# Altium PCB RTM_4SFP_3QSFP.PcbDoc (part 1 of 4) (continued)
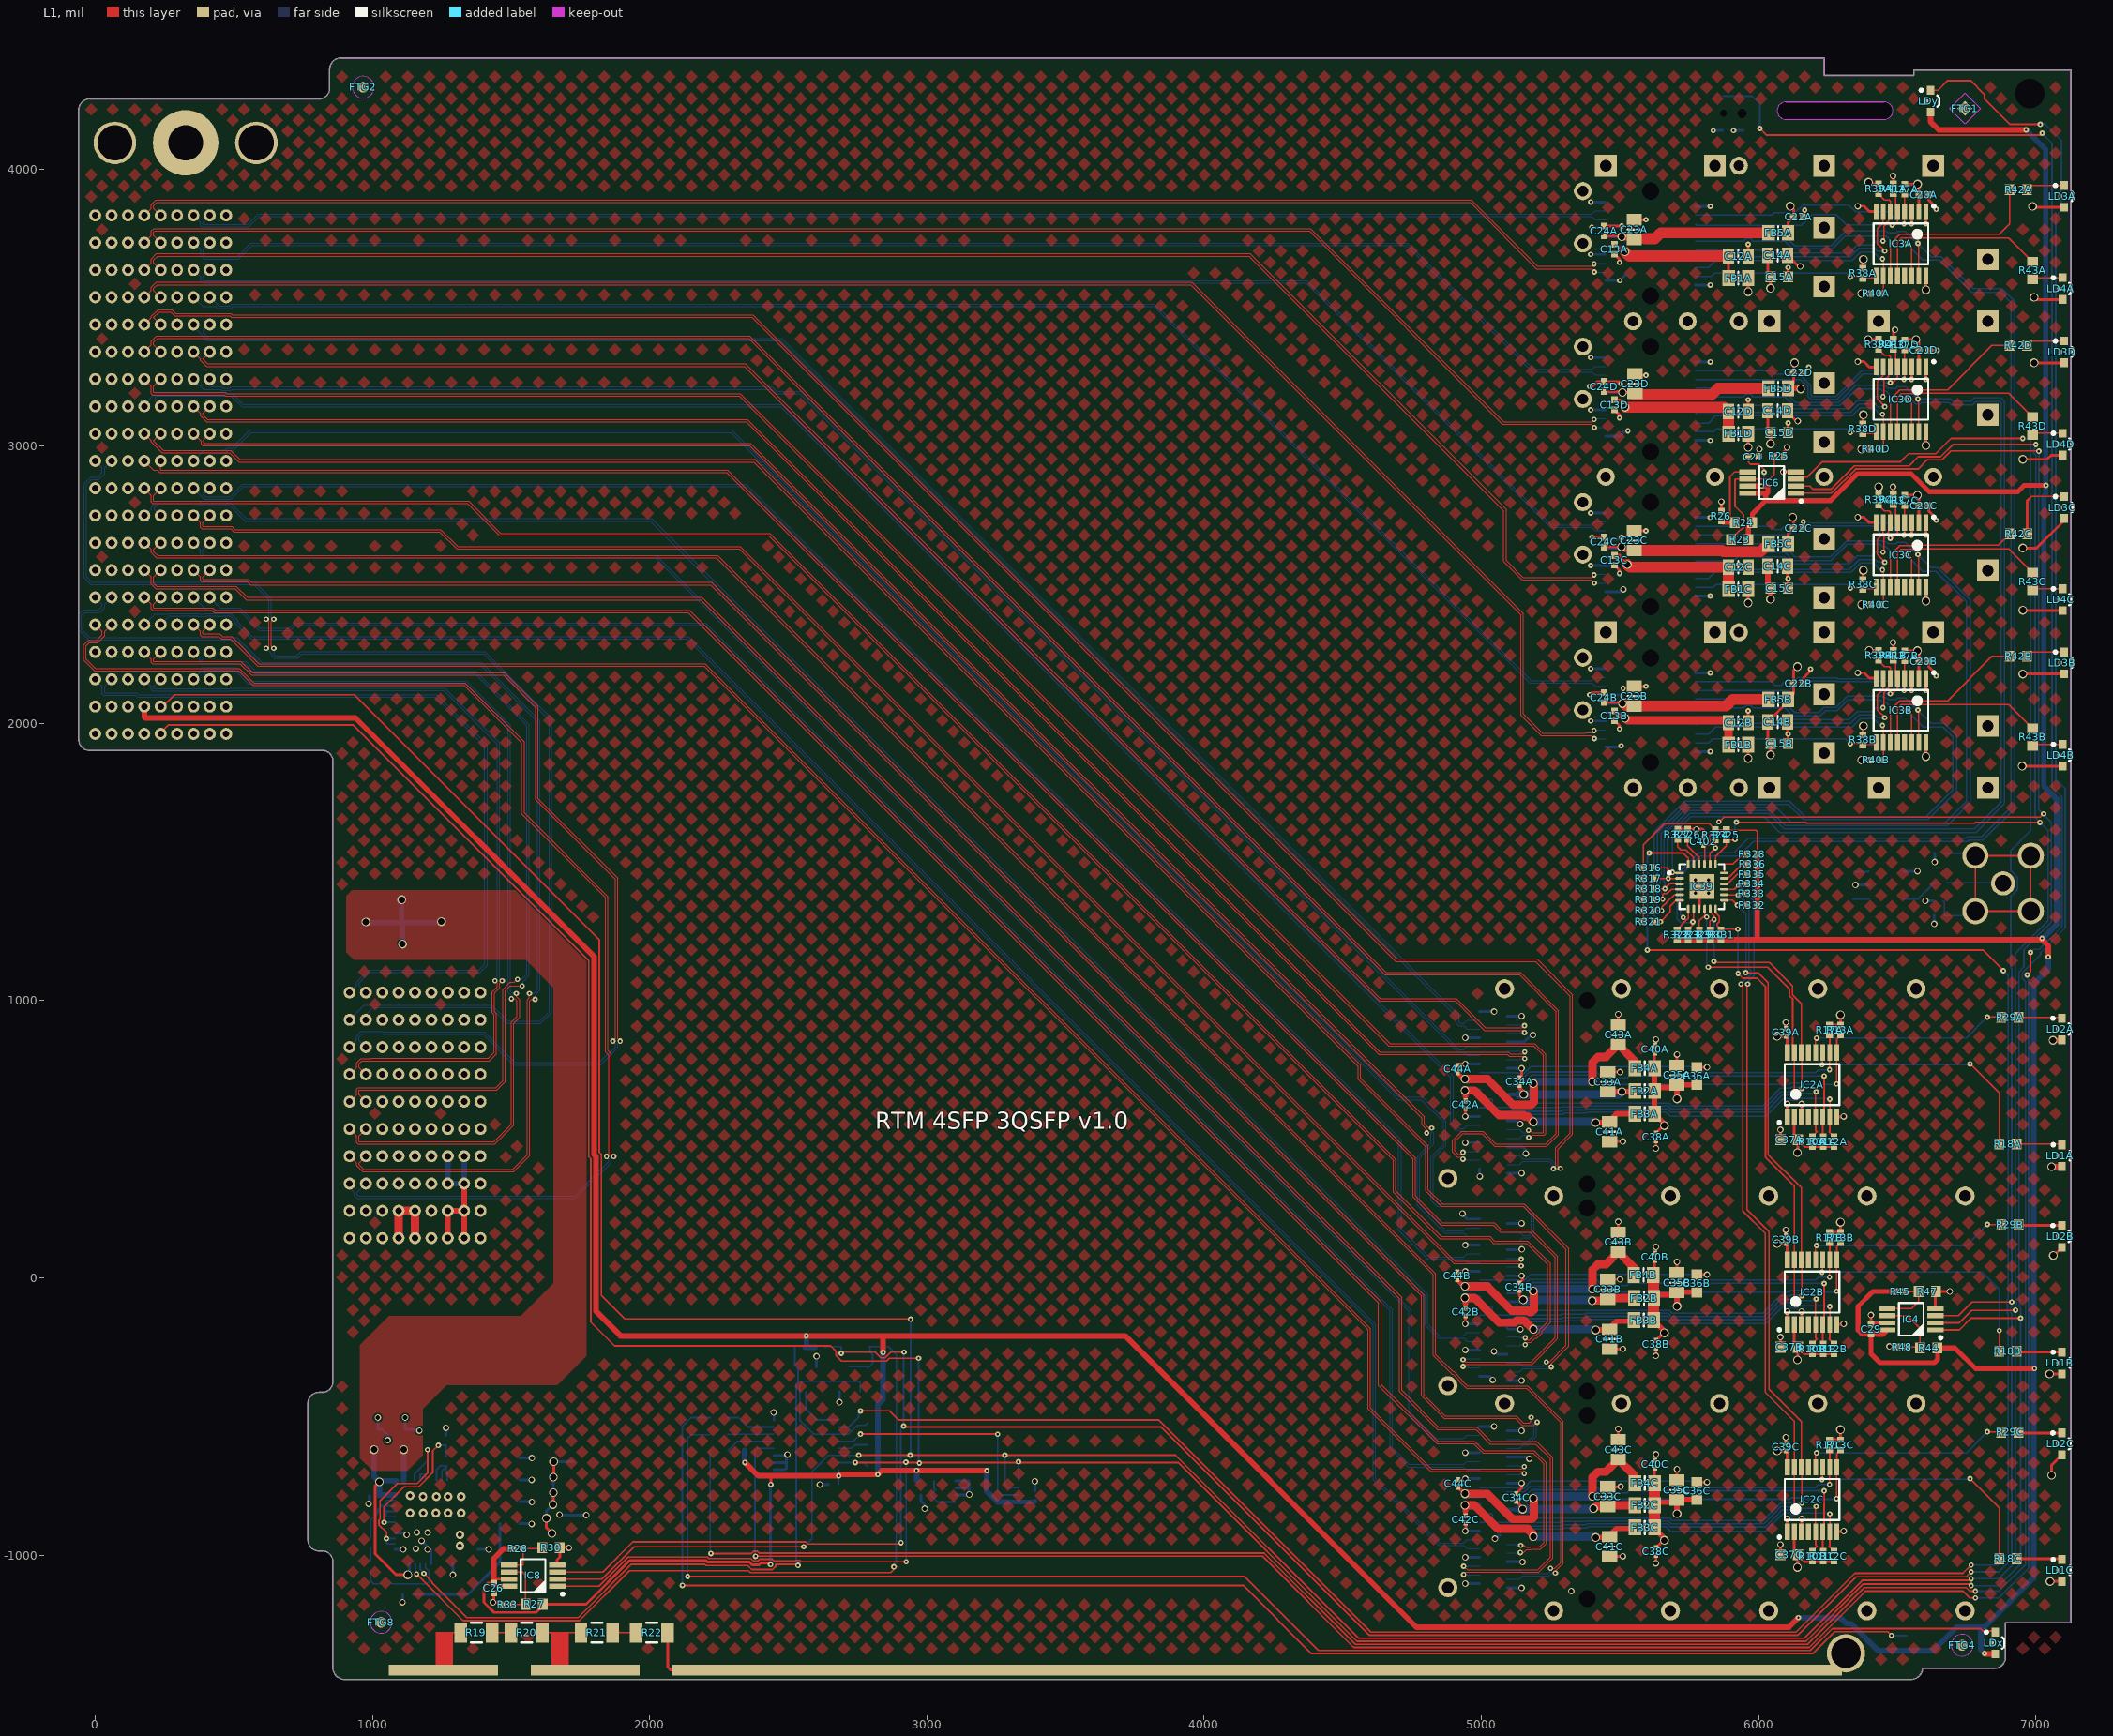
[diagram p0: L1 view]
## Components (designator, comment, footprint, x,y, rotation, side; value= is the part's Value field where it differs from the comment) (continued)
C42C "100nF" CAPC0603X33N 4943.71,-871 r270 top (schematic designator C42)
C43A "10uF" CAPC2012X135N 5494,877 r90 top (schematic designator C43)
C43B "10uF" CAPC2012X135N 5494,128.97 r90 top (schematic designator C43)
C43C "10uF" CAPC2012X135N 5494,-619.06 r90 top (schematic designator C43)
C44A "100nF" CAPC0603X33N 4914,753 r90 top (schematic designator C44)
C44B "100nF" CAPC0603X33N 4912.36,7.87 r90 top (schematic designator C44)
C44C "100nF" CAPC0603X33N 4916,-742 r90 top (schematic designator C44)
C402 "100nF" CAPC0603X33N 5801.18,1574.8 r270 top
Cage1 "zQSFP+" TYCO_2170737-1 5845.68,-78.74 r270 bottom locked
Cage2 "SFP+" TYCO_2007132-1 5610.24,2889.76 r180 bottom locked
CON1A "1888247-1" TYCO_1888247-1 5610.24,3731.5 r180 bottom locked (schematic designator CON1)
CON1B "1888247-1" TYCO_1888247-1 5610.24,2048.43 r180 bottom locked (schematic designator CON1)
CON1C "1888247-1" TYCO_1888247-1 5610.24,2609.45 r180 bottom locked (schematic designator CON1)
CON1D "1888247-1" TYCO_1888247-1 5610.24,3170.47 r180 bottom locked (schematic designator CON1)
D1 "BAT165" SOD2512X110N 2740.6,-247.59 r0 bottom
F1 "1.5A-15V" FUSR_TYCO_SMD150F-2 1108.27,1446.85 r270 bottom
FB1A "220R@100MHz" INDC2012X105N 5927.17,3606.3 r180 top (schematic designator FB1)
FB1B "220R@100MHz" INDC2012X105N 5927.17,1923.23 r180 top (schematic designator FB1)
FB1C "220R@100MHz" INDC2012X105N 5927.17,2484.25 r180 top (schematic designator FB1)
FB1D "220R@100MHz" INDC2012X105N 5927.17,3045.28 r180 top (schematic designator FB1)
FB2A "220R@100MHz" INDC2012X105N 5589,674.45 r180 top (schematic designator FB2)
FB2B "220R@100MHz" INDC2012X105N 5587,-73 r180 top (schematic designator FB2)
FB2C "220R@100MHz" INDC2012X105N 5589,-820 r180 top (schematic designator FB2)
FB3A "220R@100MHz" INDC2012X105N 5589,592 r180 top (schematic designator FB3)
FB3B "220R@100MHz" INDC2012X105N 5586,-152 r180 top (schematic designator FB3)
FB3C "220R@100MHz" INDC2012X105N 5589,-900 r180 top (schematic designator FB3)
FB4A "220R@100MHz" INDC2012X105N 5589,756.91 r180 top (schematic designator FB4)
FB4B "220R@100MHz" INDC2012X105N 5585,11 r180 top (schematic designator FB4)
FB4C "220R@100MHz" INDC2012X105N 5589,-740 r180 top (schematic designator FB4)
FB5A "220R@100MHz" INDC2012X105N 6070.87,3769.69 r180 top (schematic designator FB5)
FB5B "220R@100MHz" INDC2012X105N 6070.87,2086.61 r180 top (schematic designator FB5)
FB5C "220R@100MHz" INDC2012X105N 6070.87,2647.64 r180 top (schematic designator FB5)
FB5D "220R@100MHz" INDC2012X105N 6070.87,3208.66 r180 top (schematic designator FB5)
FP1 "RTM_FRONTPANEL" RTM_FRONTPANEL 7157.48,2952.76 r0 bottom locked
FTG1 "Use only in PCB" FIDUCIAL_TOP_S100-200 6744.1,4218.5 r90 top
FTG2 "Use only in PCB" FIDUCIAL_TOP_C100-200 966.54,4295.28 r90 top
FTG3 "Use only in PCB" FIDUCIAL_TOP_S100-200 6744.09,4218.5 r90 bottom
FTG4 "Use only in PCB" FIDUCIAL_TOP_C100-200 6734.25,-1324.8 r90 top
FTG5 "Use only in PCB" FIDUCIAL_TOP_S100-200 954.72,4273.62 r90 bottom
FTG6 "Use only in PCB" FIDUCIAL_TOP_C100-200 6744.09,-1324.8 r90 bottom
FTG7 "Use only in PCB" FIDUCIAL_TOP_S100-200 1043.31,-1230.32 r90 bottom
FTG8 "Use only in PCB" FIDUCIAL_TOP_C100-200 1031.5,-1242.13 r90 top
IC1 "MIC45116-1YMP" MICROCHIP_H3QFN88-52LD-PL-3 1230.93,-881.03 r270 bottom locked
IC2A "PCA9534PW" SOP65P640X110-16N 6192.91,696.85 r90 top (schematic designator IC2)
IC2B "PCA9534PW" SOP65P640X110-16N 6192.91,-51.18 r90 top (schematic designator IC2)
IC2C "PCA9534PW" SOP65P640X110-16N 6192.91,-799.21 r90 top (schematic designator IC2)
IC3A "PCA9534PW" SOP65P640X110-16N 6513.78,3730.31 r270 top (schematic designator IC3)
IC3B "PCA9534PW" SOP65P640X110-16N 6513.78,2047.24 r270 top locked (schematic designator IC3)
IC3C "PCA9534PW" SOP65P640X110-16N 6513.78,2608.27 r270 top (schematic designator IC3)
IC3D "PCA9534PW" SOP65P640X110-16N 6513.78,3169.29 r270 top (schematic designator IC3)
IC4 "LM75AIMM/NOPB" SOP65P490X109-8N 6550.92,-149 r180 top
IC6 "LM75AIMM/NOPB" SOP65P490X109-8N 6047,2869 r180 top
IC8 "LM75AIMM/NOPB" SOP65P490X109-8N 1579.71,-1073.77 r180 top
IC10 "AT24MAC402-XHM" SOP65P640X120-8N 3217.23,-769.84 r0 bottom
IC14 "PCA9554DB" SOP65P640X120-16N 2564.42,-601.92 r180 bottom
IC39 "MAX7357ETG+" HVQFN24 5795.67,1411.61 r0 top
J1 "Family" TYCO_1469265-1 325.98,4094.49 r180 bottom
J2 "Advanced TCA" TYCO_6469183-1 236.22,2405.51 r180 bottom locked
J3 "SMA" AMPHENOL_132203 6881.89,1423.03 r0 bottom
J4 "Advanced TCA" TYCO_6469183-1 236.22,3389.76 r180 bottom locked
J5A "zQSFP+" TYCO_1551920-2 5043.31,669.29 r180 bottom locked (schematic designator J5)
J5B "zQSFP+" TYCO_1551920-2 5043.31,-78.74 r180 bottom locked (schematic designator J5)
J5C "zQSFP+" TYCO_1551920-2 5043.31,-826.77 r180 bottom locked (schematic designator J5)
J8 "Hard Metric Type ZD" ERNI_973028 1153.54,586.61 r180 bottom
LD1A "LED_AVAGO_HSME-C120" LED_AVAGO_HSME-C120 7094,440.94 r270 top (schematic designator LD1)
LD1B "LED_AVAGO_HSME-C120" LED_AVAGO_HSME-C120 7094,-307.09 r270 top (schematic designator LD1)
LD1C "LED_AVAGO_HSME-C120" LED_AVAGO_HSME-C120 7094,-1055.12 r270 top (schematic designator LD1)
LD2A "Red" LED_AVAGO_HSME-C120rev 7094.49,897.64 r90 top (schematic designator LD2)
LD2B "Red" LED_AVAGO_HSME-C120rev 7094.49,149.61 r90 top (schematic designator LD2)
LD2C "Red" LED_AVAGO_HSME-C120rev 7094.49,-598.43 r90 top (schematic designator LD2)
LD3A "LED_AVAGO_HSME-C120" LED_AVAGO_HSME-C120 7102.32,3901.22 r270 top (schematic designator LD3)
LD3B "LED_AVAGO_HSME-C120" LED_AVAGO_HSME-C120 7102.32,2218.15 r270 top (schematic designator LD3)
LD3C "LED_AVAGO_HSME-C120" LED_AVAGO_HSME-C120 7102.32,2779.17 r270 top (schematic designator LD3)
LD3D "LED_AVAGO_HSME-C120" LED_AVAGO_HSME-C120 7102.32,3340.2 r270 top (schematic designator LD3)
LD4A "Red" LED_AVAGO_HSME-C120rev 7096.41,3568.54 r90 top (schematic designator LD4)
LD4B "Red" LED_AVAGO_HSME-C120rev 7096.41,1885.47 r90 top (schematic designator LD4)
LD4C "Red" LED_AVAGO_HSME-C120rev 7096.41,2446.5 r90 top (schematic designator LD4)
LD4D "Red" LED_AVAGO_HSME-C120rev 7096.41,3007.52 r90 top (schematic designator LD4)
LDx "Green" LED_AVAGO_HSME-C120rev 6854.33,-1316.93 r90 top
LDy "Blue" LED_AVAGO_HSME-C120rev 6620,4245 r90 top
LED17 "LED0603-P-RW120 or LYN971-Z" led_0603R 6535,-1290 r270 bottom
PB1 "Push Button" SW_C&K_HDT0001 5906.69,4200.79 r180 bottom
R1 "7k5" RESC1005X40N#1 1147.27,-1123.16 r270 bottom
R2 "100k" RESC1005X40N#1 6651.68,1307.09 r0 bottom
R3 "2k4" RESC1005X40N#1 1109.88,-1123.16 r90 bottom
R4 "10k" RESC1005X40N#1 993.74,-1038.52 r90 bottom
R5 "10k" RESC1005X40N#1 1048.86,-1103.48 r180 bottom
R6 "1k6" RESC1005X40N#1 1265.59,-662.53 r270 bottom
R7 "330" RESC1608X55N 2249.46,-622.71 r180 bottom
R8 "330" RESC1608X55N 2249.46,-565.26 r180 bottom
R9 "330" RESC1608X55N 2249.46,-503.69 r180 bottom
R10A "10k" RESC1005X40N#1 6193.91,492.13 r90 top (schematic designator R10)
R10B "10k" RESC1005X40N#1 6193.91,-255.91 r90 top (schematic designator R10)
R10C "10k" RESC1005X40N#1 6193.91,-1003.94 r90 top (schematic designator R10)
R11A "10k" RESC1005X40N#1 6232.78,492.13 r90 top (schematic designator R11)
R11B "10k" RESC1005X40N#1 6232.78,-255.91 r90 top (schematic designator R11)
R11C "10k" RESC1005X40N#1 6232.78,-1003.94 r90 top (schematic designator R11)
R12A "10k" RESC1005X40N#1 6271.65,492.13 r90 top (schematic designator R12)
R12B "10k" RESC1005X40N#1 6271.65,-255.91 r90 top (schematic designator R12)
R12C "10k" RESC1005X40N#1 6271.65,-1003.94 r90 top (schematic designator R12)
R13A "10k" RESC1005X40N#1 6295.28,893.7 r270 top (schematic designator R13)
R13B "10k" RESC1005X40N#1 6295.28,145.67 r270 top (schematic designator R13)
R13C "10k" RESC1005X40N#1 6295.28,-602.36 r270 top (schematic designator R13)
R14 "10k" RESC1005X40N#1 2804.65,-523.18 r180 bottom
R15 "10k" RESC1005X40N#2 2804.65,-601.92 r180 bottom
R16 "10k" RESC1005X40N#1 2361.74,-622.71 r0 bottom
R17A "10k" RESC1005X40N#1 6255.91,893.7 r270 top (schematic designator R17)
R17B "10k" RESC1005X40N#1 6255.91,145.67 r270 top (schematic designator R17)
R17C "10k" RESC1005X40N#1 6255.91,-602.36 r270 top (schematic designator R17)
R18A "330" RESC1608X55N 6899.26,483.27 r0 top (schematic designator R18)
R18B "330" RESC1608X55N 6899.26,-264.76 r0 top (schematic designator R18)
R18C "330" RESC1608X55N 6899.26,-1012.8 r0 top (schematic designator R18)
R19 "1M" RESC3216X65N 1374.92,-1279.53 r0 top
R20 "1M" RESC3216X65N 1556.57,-1279.53 r0 top
R21 "1M" RESC3216X65N 1809.3,-1279.53 r0 top
R22 "1M" RESC3216X65N 2007.87,-1279.53 r0 top
R23 "0" RESC1608X55N 5932,2664 r0 top
R24 "0" RESC1608X55N 5946,2724.97 r0 top
R25 "10k" RESC1005X40N#2 6074,2964 r180 top
R26 "10k" RESC1005X40N#2 5866,2748 r270 top
R27 "0" RESC1608X55N 1583.29,-1176.96 r0 top
R28 "10k" RESC1005X40N#2 1525.29,-976.96 r180 top
R29A "330" RESC1608X55N 6906.46,939.96 r0 top (schematic designator R29)
R29B "330" RESC1608X55N 6906.46,191.93 r0 top (schematic designator R29)
R29C "330" RESC1608X55N 6906.46,-556.1 r0 top (schematic designator R29)
R30 "0" RESC1608X55N 1644.29,-972.68 r180 top
R31 "10k" RESC1005X40N#2 2804.65,-640.06 r180 bottom
R32 "10k" RESC1005X40N#2 2804.65,-680.66 r180 bottom
R33 "10k" RESC1005X40N#2 1487.29,-1177.96 r0 top
R34 "10k" RESC1005X40N#1 2614.62,-250.5 r0 bottom
R35 "10k" RESC1005X40N#1 2823.16,-307.63 r180 bottom
R36 "10k" RESC1005X40N#1 2804.65,-479.63 r180 bottom
R37A "10k" RESC1005X40N#1 6527.52,3926.81 r90 top (schematic designator R37)
R37B "10k" RESC1005X40N#1 6527.52,2243.74 r90 top (schematic designator R37)
R37C "10k" RESC1005X40N#1 6527.52,2804.76 r90 top (schematic designator R37)
R37D "10k" RESC1005X40N#1 6527.52,3365.79 r90 top (schematic designator R37)
R38A "10k" RESC1005X40N#1 6375.94,3623.66 r90 top (schematic designator R38)
R38B "10k" RESC1005X40N#1 6375.94,1940.59 r90 top (schematic designator R38)
R38C "10k" RESC1005X40N#1 6375.94,2501.61 r90 top (schematic designator R38)
R38D "10k" RESC1005X40N#1 6375.94,3062.64 r90 top (schematic designator R38)
R39A "10k" RESC1005X40N#1 6433.03,3928.78 r90 top (schematic designator R39)
R39B "10k" RESC1005X40N#1 6433.03,2245.71 r90 top (schematic designator R39)
R39C "10k" RESC1005X40N#1 6433.03,2806.73 r90 top (schematic designator R39)
R39D "10k" RESC1005X40N#1 6433.03,3367.76 r90 top (schematic designator R39)
R40A "10k" RESC1005X40N#1 6423.19,3550.83 r180 top (schematic designator R40)
R40B "10k" RESC1005X40N#1 6423.19,1867.75 r180 top (schematic designator R40)
R40C "10k" RESC1005X40N#1 6423.19,2428.78 r180 top (schematic designator R40)
R40D "10k" RESC1005X40N#1 6423.19,2989.8 r180 top (schematic designator R40)
R41A "10k" RESC1005X40N#1 6486.17,3929.02 r270 top (schematic designator R41)
R41B "10k" RESC1005X40N#1 6486.17,2245.94 r270 top (schematic designator R41)
R41C "10k" RESC1005X40N#1 6486.17,2806.97 r270 top (schematic designator R41)
R41D "10k" RESC1005X40N#1 6486.17,3367.99 r270 top (schematic designator R41)
R42A "330" RESC1608X55N 6936.97,3924.84 r0 top (schematic designator R42)
R42B "330" RESC1608X55N 6936.97,2241.77 r0 top (schematic designator R42)
R42C "330" RESC1608X55N 6938,2684 r0 top (schematic designator R42)
R42D "330" RESC1608X55N 6936.97,3363.82 r0 top (schematic designator R42)
R43A "330" RESC1608X55N 6988.19,3633.86 r270 top (schematic designator R43)
R43B "330" RESC1608X55N 6988.19,1950.79 r270 top (schematic designator R43)
R43C "330" RESC1608X55N 6988.19,2511.81 r270 top (schematic designator R43)
R43D "330" RESC1608X55N 6988.19,3072.83 r270 top (schematic designator R43)
R44 "0" RESC1608X55N 6614,-253 r0 top
R45 "10k" RESC1005X40N#2 6511,-49 r180 top
R46 "10k" RESC1005X40N#1 2541.78,-250.5 r180 bottom
R47 "0" RESC1608X55N 6609,-49 r180 top
R48 "10k" RESC1005X40N#2 6518,-249 r0 top
R73 "0" RESC1608X55N 2994.81,-731.45 r180 bottom
R74 "10k" RESC1005X40N#2 2804.65,-563.46 r0 bottom
R75 "10k" RESC1005X40N#2 2995.9,-782.63 r0 bottom
R316 "10k" RESC1005X40N#1 5603.17,1480.32 r180 top
R317 "10k" RESC1005X40N#1 5603.17,1441.14 r180 top
R318 "10k" RESC1005X40N#1 5603.17,1403.35 r180 top
R319 "10k" RESC1005X40N#1 5603.17,1364.37 r180 top
R320 "10k" RESC1005X40N#1 5603.17,1325 r180 top
R321 "10k" RESC1005X40N#1 5603.17,1285.43 r180 top
R322 "10k" RESC1005X40N#1 5705.84,1237.99 r270 top
R323 "10k" RESC1005X40N#1 5745.47,1237.99 r270 top
R324 "10k" RESC1005X40N#1 5844.49,1598.43 r90 top
R325 "10k" RESC1005X40N#1 5884.06,1598.42 r90 top
R326 "10k" RESC1005X40N#1 5744.1,1600.27 r270 top
R327 "10k" RESC1005X40N#1 5708.66,1600.27 r270 top
R328 "10k" RESC1005X40N#1 5976.97,1528.74 r180 top
R329 "10k" RESC1005X40N#1 5786.42,1237.99 r270 top
R330 "10k" RESC1005X40N#1 5826.57,1237.99 r270 top
R331 "10k" RESC1005X40N#1 5864.38,1237.99 r270 top
R332 "10k" RESC1005X40N#1 5976.97,1344.68 r0 top
R333 "10k" RESC1005X40N#1 5975.78,1386.81 r0 top
R334 "10k" RESC1005X40N#1 5975.78,1421.46 r0 top
R335 "10k" RESC1005X40N#1 5977.56,1455.81 r0 top
R336 "10k" RESC1005X40N#1 5977.95,1492.91 r0 top
T1 "BSS138LT1G" SOT95P240X110-3N 2721.9,-365.7 r90 bottom
T2 "BSS138LT1G" SOT95P240X110-3N 2564.42,-365.7 r270 bottom
TP1 "TP" TP 1193.04,-664.5 r180 bottom
TP2 "TP" TP -3874.62,4532.42 r90 bottom
TR1 "#NAME?" XFMR_MINI-CIRCUITS_AT1521 6461.02,1417.32 r270 bottom

## Footprints (in the part's own frame and the unit in brackets; to place one, negate y for a bottom-side part, rotate by r counter-clockwise, add the part's x,y. Pads: shape width x height; smd on the part's side, far side on the other; paste and mask are expansions set on the pad)
AMPHENOL_132203 [mm] "50 Ohm Through Hole SMA Right Angle PCB Jack"
  round 2.2 hole 1.5: 1(0,0)
  round 2.4 hole 1.7: 2(-2.54,-2.54) 2(-2.54,2.54) 2(2.54,-2.54) 2(2.54,2.54)
  silkscreen extent -4,-5.1 16.5,5.1, body extent -4,-5.1 16.5,5.1, height 11.45
CAPAE660X540N [mm] "Capacitor, Aluminium Electrolytric, 6.6mm L X 6.6mm W X 5.4mm H, IPC Medium Density"
  rect 3.15x1.6 smd: 1(-2.45,0) 2(2.45,0)
  silkscreen extent -3.95,-3.3 3.3,3.3, body extent -3.9,-3.4 3.9,3.4, height 5.7
CAPC0603X33N [mm] "Chip Capacitor, Body 0.6x0.30mm, IPC Medium Density"
  rect 0.45x0.4 smd: 1(-0.35,0) 2(0.35,0)
  body extent -0.31,-0.16 0.32,0.17, height 0.33
CAPC1005X55N [mm] "Chip Capacitor, Body 1.0x0.55mm, IPC Medium Density"
  rect 0.62x0.62 smd: 1(-0.45,0) 2(0.45,0)
  body extent -0.52,-0.27 0.53,0.28, height 0.55
CAPC1608X87N [mm] "Chip Capacitor, Body 1.6x0.8mm IPC Medium Density"
  rect 0.95x1 smd: 1(-0.8,0) 2(0.8,0)
  body extent -0.87,-0.47 0.88,0.48, height 0.87
CAPC2012X135N [mm] "Chip Capacitor, Body 2.0x1.25mm, IPC Medium Density"
  rect 1.05x1.4 smd: 1(-0.9,0) 2(0.9,0)
  silkscreen extent 0,-0.58 0,0.58, body extent -1.05,-0.67 1.05,0.68, height 1.25
CAPC3216X140N [mm] "Chip Capacitor, Body 3.2x1.6mm, IPC Medium Density"
  rect 1.15x1.8 smd: 1(-1.5,0) 2(1.5,0)
  silkscreen extent -0.5,-0.9 0.5,0.9, body extent -1.7,-0.9 1.7,0.9, height 1.4
ERNI_973028 [mm] "90 Contacts (10x3 Pairs Signal Contacts + 3x10 Ground Contacts), Pitch 2.5mm, Press-Fit, Right Angle Ermet ZD High Speed Differential Hard Metric Female Connector"
  round 1.1 hole 0.6: A1(6,11.25) A2(6,8.75) A3(6,6.25) A4(6,3.75) A5(6,1.25) A6(6,-1.25) A7(6,-3.75) A8(6,-6.25) A9(6,-8.75) A10(6,-11.25) AB1(3,11.25) AB2(3,8.75) AB3(3,6.25) AB4(3,3.75) AB5(3,1.25) AB6(3,-1.25) AB7(3,-3.75) AB8(3,-6.25) AB9(3,-8.75) AB10(3,-11.25) B1(4.5,11.25) B2(4.5,8.75) B3(4.5,6.25) B4(4.5,3.75) B5(4.5,1.25) B6(4.5,-1.25) B7(4.5,-3.75) B8(4.5,-6.25) B9(4.5,-8.75) B10(4.5,-11.25) C1(1.5,11.25) C2(1.5,8.75) C3(1.5,6.25) C4(1.5,3.75) C5(1.5,1.25) C6(1.5,-1.25) C7(1.5,-3.75) C8(1.5,-6.25) C9(1.5,-8.75) C10(1.5,-11.25) CD1(-1.5,11.25) CD2(-1.5,8.75) CD3(-1.5,6.25) CD4(-1.5,3.75) CD5(-1.5,1.25) CD6(-1.5,-1.25) CD7(-1.5,-3.75) CD8(-1.5,-6.25) CD9(-1.5,-8.75) CD10(-1.5,-11.25) D1(0,11.25) D2(0,8.75) D3(0,6.25) D4(0,3.75) D5(0,1.25) D6(0,-1.25) D7(0,-3.75) D8(0,-6.25) D9(0,-8.75) D10(0,-11.25) E1(-3,11.25) E2(-3,8.75) E3(-3,6.25) E4(-3,3.75) E5(-3,1.25) E6(-3,-1.25) E7(-3,-3.75) E8(-3,-6.25) E9(-3,-8.75) E10(-3,-11.25) EF1(-6,11.25) EF2(-6,8.75) EF3(-6,6.25) EF4(-6,3.75) EF5(-6,1.25) EF6(-6,-1.25) EF7(-6,-3.75) EF8(-6,-6.25) EF9(-6,-8.75) EF10(-6,-11.25) F1(-4.5,11.25) F2(-4.5,8.75) F3(-4.5,6.25) F4(-4.5,3.75) F5(-4.5,1.25) F6(-4.5,-1.25) F7(-4.5,-3.75) F8(-4.5,-6.25) F9(-4.5,-8.75) F10(-4.5,-11.25)
  silkscreen extent -6.55,-12.95 17.75,12, body extent -6.55,-12.95 17.75,12, height 12.2
FIDUCIAL_TOP_C100-200 [mm] "Round Fiducial Target, Top Layer, 1.0mm, Top Solder 2.0mm, Keepout =2.0mm"
  round 1 smd paste-0.51 mask+0.5: FTG2(0,0)
  L1 keep-out circle w0.1: c0,0 r1
FIDUCIAL_TOP_S100-200 [mm] "Scare Fiducial Target, Top Layer, 1.0mm, Top Sloder 2.0mm, Keepout =2.0mm"
  rect 1x1 smd rot 45 paste-0.51 mask+0.5: 1(0,0)
  L1 keep-out region: 1.414,0 0,-1.414 -1.414,0 0,1.414
FUSR_TYCO_SMD150F-2 [mm] "PolySwitch, 2-Leads, Body 8.7x6.35mm Nominal"
  rect 2.3x4.6 smd: 1(-4.2,0) 2(4.2,0)
  silkscreen extent -4.7,-3.36 4.7,3.35, body extent -4.7,-3.35 4.7,3.36, height 3
HVQFN24 [mm]
  oval 0.8x0.25 smd: 1(-2.05,1.25) 2(-2.05,0.75) 3(-2.05,0.25) 4(-2.05,-0.25) 5(-2.05,-0.75) 6(-2.05,-1.25) 13(2.05,-1.25) 14(2.05,-0.75) 15(2.05,-0.25) 16(2.05,0.25) 17(2.05,0.75) 18(2.05,1.25)
  oval 0.25x0.8 smd: 7(-1.25,-2.05) 8(-0.75,-2.05) 9(-0.25,-2.05) 10(0.25,-2.05) 11(0.75,-2.05) 12(1.25,-2.05) 19(1.25,2.05) 20(0.75,2.05) 21(0.25,2.05) 22(-0.25,2.05) 23(-0.75,2.05) 24(-1.25,2.05)
  rect 2.3x2.3 smd: 25(0,0)
  silkscreen extent -3.12,-2.05 2.05,2.05, body extent -2.11,-2.11 2.11,2.11, height 0.4
INDC2012X105N [mm] "Chip Inductor, EIA 0805, Metric 2012, Body 2.0x1.25mm, IPC Medium Density"
  rect 1.15x1.45 smd: 1(-0.9,0) 2(0.9,0)
  silkscreen extent 0,-0.6 0,0.6, body extent -1.1,-0.7 1.1,0.7, height 1.1
led_0603R [mil]
  rect 30x30 smd: A(55,0) K(0,0)
  silkscreen extent -31,-22 73,26, body extent -10,-15 65,15, height 28
LED_AVAGO_HSME-C120 [mm] "Green Chip LED, 2-Leads, Body 1.7x1.1mm, Side Emitting Package"
  rect 0.8x0.7 smd: 1(-1,0) 2(1,0)
  rect 0.4x0.4 smd: 3(0,-0.35)
  silkscreen extent -1.12,-0.92 0.42,0.8, body extent -0.85,-0.3 0.85,0.8, height 0.7
LED_AVAGO_HSME-C120rev [mm] "Green Chip LED, 2-Leads, Body 1.7x1.1mm, Side Emitting Package"
  rect 0.8x0.7 smd: 1(-1,0) 2(1,0)
  rect 0.4x0.4 smd: 3(0,0.35)
  silkscreen extent -0.51,-0.8 1.12,0.96, body extent -0.85,-0.8 0.85,0.3, height 0.7
MICROCHIP_H3QFN88-52LD-PL-3 [mm] "MICROCHIP_H3QFN88-52LD-PL-3, 0.50mm Pitch, Square, 52 Pin, 8mm L X 8mm W X 3mm H Body"
  rect 0.8x0.25 smd: 1(-3.8,3.5) 2(-3.8,3) 4(-3.8,2) 5(-3.8,1.5) 6(-3.8,1) 8(-3.8,0) 9(-3.8,-0.5) 10(-3.8,-1) 12(-3.8,-2) 13(-3.8,-2.5) 14(-3.8,-3) 15(-3.8,-3.5) 27(3.8,-3.5) 28(3.8,-3) 29(3.8,-2.5) 30(3.8,-2) 31(3.8,-1.5) 32(3.8,-1) 33(3.8,-0.5) 34(3.8,0) 35(3.8,0.5) 36(3.8,1) 37(3.8,1.5) 38(3.8,2) 39(3.8,2.5) 40(3.8,3) 41(3.8,3.5)
  rect 0.25x0.8 smd: 16(-2.5,-3.8) 17(-2,-3.8) 18(-1.5,-3.8) 19(-1,-3.8) 20(-0.5,-3.8) 21(0,-3.8) 23(1,-3.8) 24(1.5,-3.8) 25(2,-3.8) 26(2.5,-3.8) 42(2.5,3.8) 43(2,3.8) 44(1.5,3.8) 45(1,3.8) 47(0,3.8) 48(-0.5,3.8) 49(-1,3.8) 50(-1.5,3.8) 51(-2,3.8) 52(-2.5,3.8)
  rect 2.1x1.675 smd: 53(1.7,1.363)
  rect 2.1x1.15 smd: 54(1.7,-2.15)
  L1 lines w0.05: 1.7,0.525 1.7,0.525
  L1 keep-out region: 0.375,3.12 0.625,3.12 0.625,4.2 0.375,4.2
  L1 keep-out region: 0.375,-4.2 0.625,-4.2 0.625,-3.12 0.375,-3.12
  L1 keep-out region: -4.2,-1.625 -4.2,-1.375 -3.15,-1.375 -3.15,0.375 -4.2,0.375 -4.2,0.625 -3.15,0.625 -3.15,2.375 -4.2,2.375 -4.2,2.625 -3.15,2.625 -3.15,3.12 0.15,3.12 0.15,0.025 3.15,0.025 3.15,-1.075 0.15,-1.075 0.15,-3.12 -3.15,-3.12 -3.15,-1.625
  silkscreen extent -4.55,-4 4,4.52, body extent -4,-4 4,4, height 3
RESC1005X40N#1 [mm] "Chip Resistor, EIA 0402, Metric 1005, Body 1.0x0.5mm, IPC Medium Density"
  rect 0.58x0.62 smd: 1(-0.47,0) 2(0.47,0)
  body extent -0.52,-0.27 0.53,0.28, height 0.4
RESC1005X40N#2 [mm] "Chip Resistor, Body 1.0x0.5mm, IPC Medium Density"
  rect 0.6x0.6 smd: 1(-0.45,0) 2(0.45,0)
  body extent -0.53,-0.28 0.53,0.28, height 0.4
RESC1608X55N [mm] "Chip Resistor, EIA 0603, Metric 1608, Body 1.6x0.8mm, IPC Medium Density"
  rect 0.9x1 smd: 1(-0.8,0) 2(0.8,0)
  body extent -0.87,-0.47 0.88,0.48, height 0.55
RESC3216X65N [mm] "Chip Resistor, EIA 1206, Metric 3216, Body 3.2x1.6mm, IPC Medium Density"
  rect 1.15x1.8 smd: 1(-1.45,0) 2(1.45,0)
  silkscreen extent -0.5,-0.9 0.5,0.9, body extent -1.67,-0.87 1.68,0.88, height 0.65
RTM_FRONTPANEL [mil] "RTM Frontpanel Step model"
  body extent -1343,-1870 791,4823, height 627
SOD2512X110N [mm] "Small Outline Diode (SOD-323), 1.70mm W X 1.25mm L X 1.10mm H body,  IPC Medium Density"
  rect 0.9x0.5 smd: 1(-1.3,0) 2(1.3,0)
  silkscreen extent -1.62,-0.65 0.85,0.87, body extent -1.35,-0.67 1.35,0.68, height 1.1
SOP65P490X109-8N [mm] "SOP, 0.65mm pitch; 8 pin,3.00mm W X 3.00mm L X 1.09mm H bodyI, PC Medium Density"
  rect 1.5x0.45 smd: 1(-2.2,0.975) 2(-2.2,0.325) 3(-2.2,-0.325) 4(-2.2,-0.975) 5(2.2,-0.975) 6(2.2,-0.325) 7(2.2,0.325) 8(2.2,0.975)
  silkscreen extent -2.83,-1.5 1.12,1.82, body extent -2.45,-1.55 2.45,1.55, height 1.09
SOP65P640X110-16N [mm] "SOP, 0.65mm pitch; 16 pin, 4.40mm W X 5.00mm L X 1.10mm H body IPC Medium Density"
  rect 1.5x0.45 smd: 1(-2.95,2.275) 2(-2.95,1.625) 3(-2.95,0.975) 4(-2.95,0.325) 5(-2.95,-0.325) 6(-2.95,-0.975) 7(-2.95,-1.625) 8(-2.95,-2.275) 9(2.95,-2.275) 10(2.95,-1.625) 11(2.95,-0.975) 12(2.95,-0.325) 13(2.95,0.325) 14(2.95,0.975) 15(2.95,1.625) 16(2.95,2.275)
  silkscreen extent -3.57,-2.5 1.88,3.12, body extent -3.12,-2.55 3.12,2.55, height 1.1
SOP65P640X120-8N [mm] "SOP, 0.65mm pitch; 8 pin, 4.40mm W X 3.00mm L X 1.20mm H body, IPC Medium Density"
  rect 1.5x0.45 smd: 1(-2.9,0.975) 2(-2.9,0.325) 3(-2.9,-0.325) 4(-2.9,-0.975) 5(2.9,-0.975) 6(2.9,-0.325) 7(2.9,0.325) 8(2.9,0.975)
  silkscreen extent -3.52,-1.5 1.83,1.82, body extent -3.2,-1.55 3.2,1.55, height 1.2
SOP65P640X120-16N [mm]
  rect 1.45x0.45 smd: 1(2.95,-2.275) 2(2.95,-1.625) 3(2.95,-0.975) 4(2.95,-0.325) 5(2.95,0.325) 6(2.95,0.975) 7(2.95,1.625) 8(2.95,2.275) 9(-2.95,2.275) 10(-2.95,1.625) 11(-2.95,0.975) 12(-2.95,0.325) 13(-2.95,-0.325) 14(-2.95,-0.975) 15(-2.95,-1.625) 16(-2.95,-2.275)
  silkscreen extent -1.85,-3.17 3.52,2.55, body extent -3.1,-2.49 3.15,2.49, height 1.75
SOT95P240X110-3N [mm] "SOT23 3-Leads, Pitch 0.95mm, Body 1.3x2.9mm, IPC Medium Density"
  rect 1.05x0.65 smd: 1(-1.15,0.95) 2(-1.15,-0.95) 3(1.15,0)
  silkscreen extent -1.52,-1.45 0.3,1.92, body extent -1.25,-1.5 1.25,1.5, height 1.1
SW_C&K_HDT0001 [mm] "Micro Mini Surface Mount Detect Switches, HDT Serie"
  rect 0.95x0.55 smd: 1(-0.925,1.575) 2(0.925,1.575) 3(-0.925,-1.575) 4(0.925,-1.575)
  round 0.5 hole 0.85 unplated mask+0.175: 5(-0.85,0)
  round 0.5 hole 0.65 unplated mask+0.075: 10(0.85,0)
  silkscreen extent -1.75,-1.4 1.75,1.4, body extent -1.75,-1.65 1.75,1.65, height 3.35
TP [mm]
  round 1.2 smd: 1(0,0)
TYCO_1469265-1 [mm] "Universal Right Angle Male Power Module Guide (keyed)"
  round 3.9 hole 3.2: 1(-6.48,0) 1(6.48,0)
  rect 18.3x8.3 smd paste-4.15 mask-4.15: 1(0,0)
  round 6 hole 3.2: 1(0,0)
  silkscreen extent 9.58,-3.96 32.55,3.94, body extent -8.92,-3.95 32.53,3.95, height 9.7
TYCO_1551920-2 [mm] "38 Positions, Pitch 0.8mm zSFP+ Receptacle (Small Form-factor Pluggable)"
  rrect100% 1.8x0.35 smd: 1(-1.255,7) 2(-1.255,6.2) 3(-1.255,5.4) 4(-1.255,4.6) 5(-1.255,3.8) 6(-1.255,3) 7(-1.255,2.2) 8(-1.255,1.4) 9(-1.255,0.6) 10(-1.255,-0.2) 11(-1.255,-1) 12(-1.255,-1.8) 13(-1.255,-2.6) 14(-1.255,-3.4) 15(-1.255,-4.2) 16(-1.255,-5) 17(-1.255,-5.8) 18(-1.255,-6.6) 19(-1.255,-7.4) 20(1.255,-7) 21(1.255,-6.2) 22(1.255,-5.4) 23(1.255,-4.6) 24(1.255,-3.8) 25(1.255,-3) 26(1.255,-2.2) 27(1.255,-1.4) 28(1.255,-0.6) 29(1.255,0.2) 30(1.255,1) 31(1.255,1.8) 32(1.255,2.6) 33(1.255,3.4) 34(1.255,4.2) 35(1.255,5) 36(1.255,5.8) 37(1.255,6.6) 38(1.255,7.4)
  round 0.5 hole 1.55 unplated mask+0.525: MTG1(-8.625,8.4) MTG2(-8.625,-8.4)
  silkscreen extent -11.52,-9.1 0.98,9.1, body extent -11.52,-9.1 1.79,9.1, height 6.15
TYCO_1888247-1 [mm] "20 Position, Pitch 0.8mm SFP Receptacle (Small Form-factor Pluggable)"
  rect 2x0.5 smd: 1(-4.1,3.395) 2(-4.1,2.595) 3(-4.1,1.795) 4(-4.1,0.995) 5(-4.1,0.195) 6(-4.1,-0.605) 7(-4.1,-1.405) 8(-4.1,-2.205) 9(-4.1,-3.005) 10(-4.1,-3.805) 11(4.1,-3.405) 14(4.1,-1.005) 15(4.1,-0.205) 16(4.1,0.595) 17(4.1,1.395) 20(4.1,3.795)
  rect 1.5x0.4 smd: 12(4.1,-2.605) 13(4.1,-1.805) 18(4.1,2.195) 19(4.1,2.995)
  round 0.5 hole 1.55 unplated mask+0.525: MTG1(0,4.795) MTG2(0,-4.805)
  L1 keep-out lines w0.1: 3.94,-5.755 3.94,-4.805 3.94,-3.995 2.78,-3.995 2.78,-3.855 -2.78,-3.855 -2.78,-4.395 -4.34,-4.395 -4.34,-5.755 3.94,-5.755 ; 3.94,4.385 2.78,4.385 2.78,3.845 -2.78,3.845 -2.78,3.985 -4.34,3.985 -4.34,5.745 3.94,5.745 3.94,4.385
  silkscreen extent -42.4,-7.77 6.3,7.77, body extent -4.5,-5.5 4.5,5.5, height 5.22
TYCO_2007132-1 [mm] "SFP+ 1x4 Press Fit Cage"
  rect 2x2 hole 1.05: 1(-25.9,28.5) 2(-15.9,28.5) 3(-5.9,28.5) 4(4.1,28.5) 5(-15.9,22.825) 6(-30.9,19.925) 7(-15.9,17.425) 8(-30.9,14.25) 9(-20.9,14.25) 10(-10.9,14.25) 11(-15.9,8.575) 12(-30.9,5.675) 13(-15.9,3.175) 14(-15.9,-5.675) 15(-30.9,-8.575) 16(-15.9,-11.075) 17(-25.9,-14.25) 18(-15.9,-14.25) 19(-5.9,-14.25) 20(4.1,-14.25) 21(-15.9,-19.925) 22(-30.9,-22.825) 23(-15.9,-25.325) 24(-30.9,-28.5) 25(-20.9,-28.5) 26(-10.9,-28.5)
  round 1.65 hole 0.95: 27(-8.1,28.5) 28(6.2,26.175) 29(6.2,21.375) 30(-8.1,14.25) 31(-3.4,14.25) 32(1.6,14.25) 33(6.2,11.925) 34(6.2,7.125) 35(-25.9,0) 36(-15.9,0) 37(-5.9,0) 38(4.1,0) 39(6.2,-2.325) 40(6.2,-7.125) 41(-8.1,-14.25) 42(6.2,-16.575) 43(6.2,-21.375) 44(-8.1,-28.5) 45(-3.4,-28.5) 46(1.6,-28.5)
  silkscreen extent -42.4,-29.52 6.57,29.52, body extent -42.4,-29.52 6.57,29.53, height 10.6
TYCO_2170737-1 [mm] "1x3 Press Fit zQSFP+/QSFP28 Cage (Quad Small Form-factor Pluggable), Internal/External EMI Springs"
  rect 1.6x3 / inner round 1.75 / far side round 1.75 hole 1.05: 1(-28.5,-18.345) 2(-28.5,-9.345) 3(-28.5,-0.345) 4(-28.5,8.655) 5(-28.5,19.355) 6(-9.5,-22.845) 7(-9.5,-13.845) 8(-9.5,-4.845) 9(-9.5,4.155) 10(-9.5,14.855) 13(9.5,-18.345) 14(9.5,-9.345) 15(9.5,-0.345) 16(9.5,8.655) 17(9.5,19.355) 19(28.5,-22.845) 20(28.5,-13.845) 21(28.5,-4.845) 22(28.5,4.155) 23(28.5,14.855)
  rect 3x1.6 / inner round 1.75 / far side round 1.75 hole 1.05: 11(-11.12,24.545) 12(7.88,24.545) 18(26.38,24.545)
  silkscreen extent -29.72,-36.42 29.72,25.12, body extent -29.72,-36.42 29.72,25.12, height 10.8
TYCO_6469183-1 [mm] "60 Positions, Pitch 2.5mm,  Advanced TCA, Z-PACK HM-Zd BackPlane Press Fit Header"
  round 1.1 hole 0.6: A1(6,-11.25) A2(6,-8.75) A3(6,-6.25) A4(6,-3.75) A5(6,-1.25) A6(6,1.25) A7(6,3.75) A8(6,6.25) A9(6,8.75) A10(6,11.25) B1(4.5,-11.25) B2(4.5,-8.75) B3(4.5,-6.25) B4(4.5,-3.75) B5(4.5,-1.25) B6(4.5,1.25) B7(4.5,3.75) B8(4.5,6.25) B9(4.5,8.75) B10(4.5,11.25) BG1(3,-11.25) BG2(3,-8.75) BG3(3,-6.25) BG4(3,-3.75) BG5(3,-1.25) BG6(3,1.25) BG7(3,3.75) BG8(3,6.25) BG9(3,8.75) BG10(3,11.25) C1(1.5,-11.25) C2(1.5,-8.75) C3(1.5,-6.25) C4(1.5,-3.75) C5(1.5,-1.25) C6(1.5,1.25) C7(1.5,3.75) C8(1.5,6.25) C9(1.5,8.75) C10(1.5,11.25) D1(0,-11.25) D2(0,-8.75) D3(0,-6.25) D4(0,-3.75) D5(0,-1.25) D6(0,1.25) D7(0,3.75) D8(0,6.25) D9(0,8.75) D10(0,11.25) DG1(-1.5,-11.25) DG2(-1.5,-8.75) DG3(-1.5,-6.25) DG4(-1.5,-3.75) DG5(-1.5,-1.25) DG6(-1.5,1.25) DG7(-1.5,3.75) DG8(-1.5,6.25) DG9(-1.5,8.75) DG10(-1.5,11.25) E1(-3,-11.25) E2(-3,-8.75) E3(-3,-6.25) E4(-3,-3.75) E5(-3,-1.25) E6(-3,1.25) E7(-3,3.75) E8(-3,6.25) E9(-3,8.75) E10(-3,11.25) F1(-4.5,-11.25) F2(-4.5,-8.75) F3(-4.5,-6.25) F4(-4.5,-3.75) F5(-4.5,-1.25) F6(-4.5,1.25) F7(-4.5,3.75) F8(-4.5,6.25) F9(-4.5,8.75) F10(-4.5,11.25) FG1(-6,-11.25) FG2(-6,-8.75) FG3(-6,-6.25) FG4(-6,-3.75) FG5(-6,-1.25) FG6(-6,1.25) FG7(-6,3.75) FG8(-6,6.25) FG9(-6,8.75) FG10(-6,11.25)
  silkscreen extent -6.65,-12 23.35,12.9, body extent -6.65,-12 23.35,12.9, height 13.31
XFMR_MINI-CIRCUITS_AT1521 [mm] "MINI-CIRCUITS RF Transformer, Case AT1521, Body 3.81X3.81mm"
  rect 0.76x1.65 smd: 1(-1.27,1.59) 2(0,1.59) 3(1.27,1.59) 4(1.27,-1.59) 6(-1.27,-1.59)
  silkscreen extent -2.3,-0.36 1.91,1.72, body extent -1.9,-1.9 1.91,1.91, height 4.06